# Altium PCB Fail 1.PcbDoc (part 2 of 2)
Units mil, origin at the board's own origin, x right, y up, seen from the top; angles counter-clockwise.
Board outline 15070 x 12950 mil, 6 copper layers (Top Layer, Layer 3, Layer 1, Layer 2, Layer 4, Bottom Layer), stack 32.112 mil thick; 221 components, 155 nets, 921 pads, 0 vias.
Unrouted connection lines stored in the file: 504.
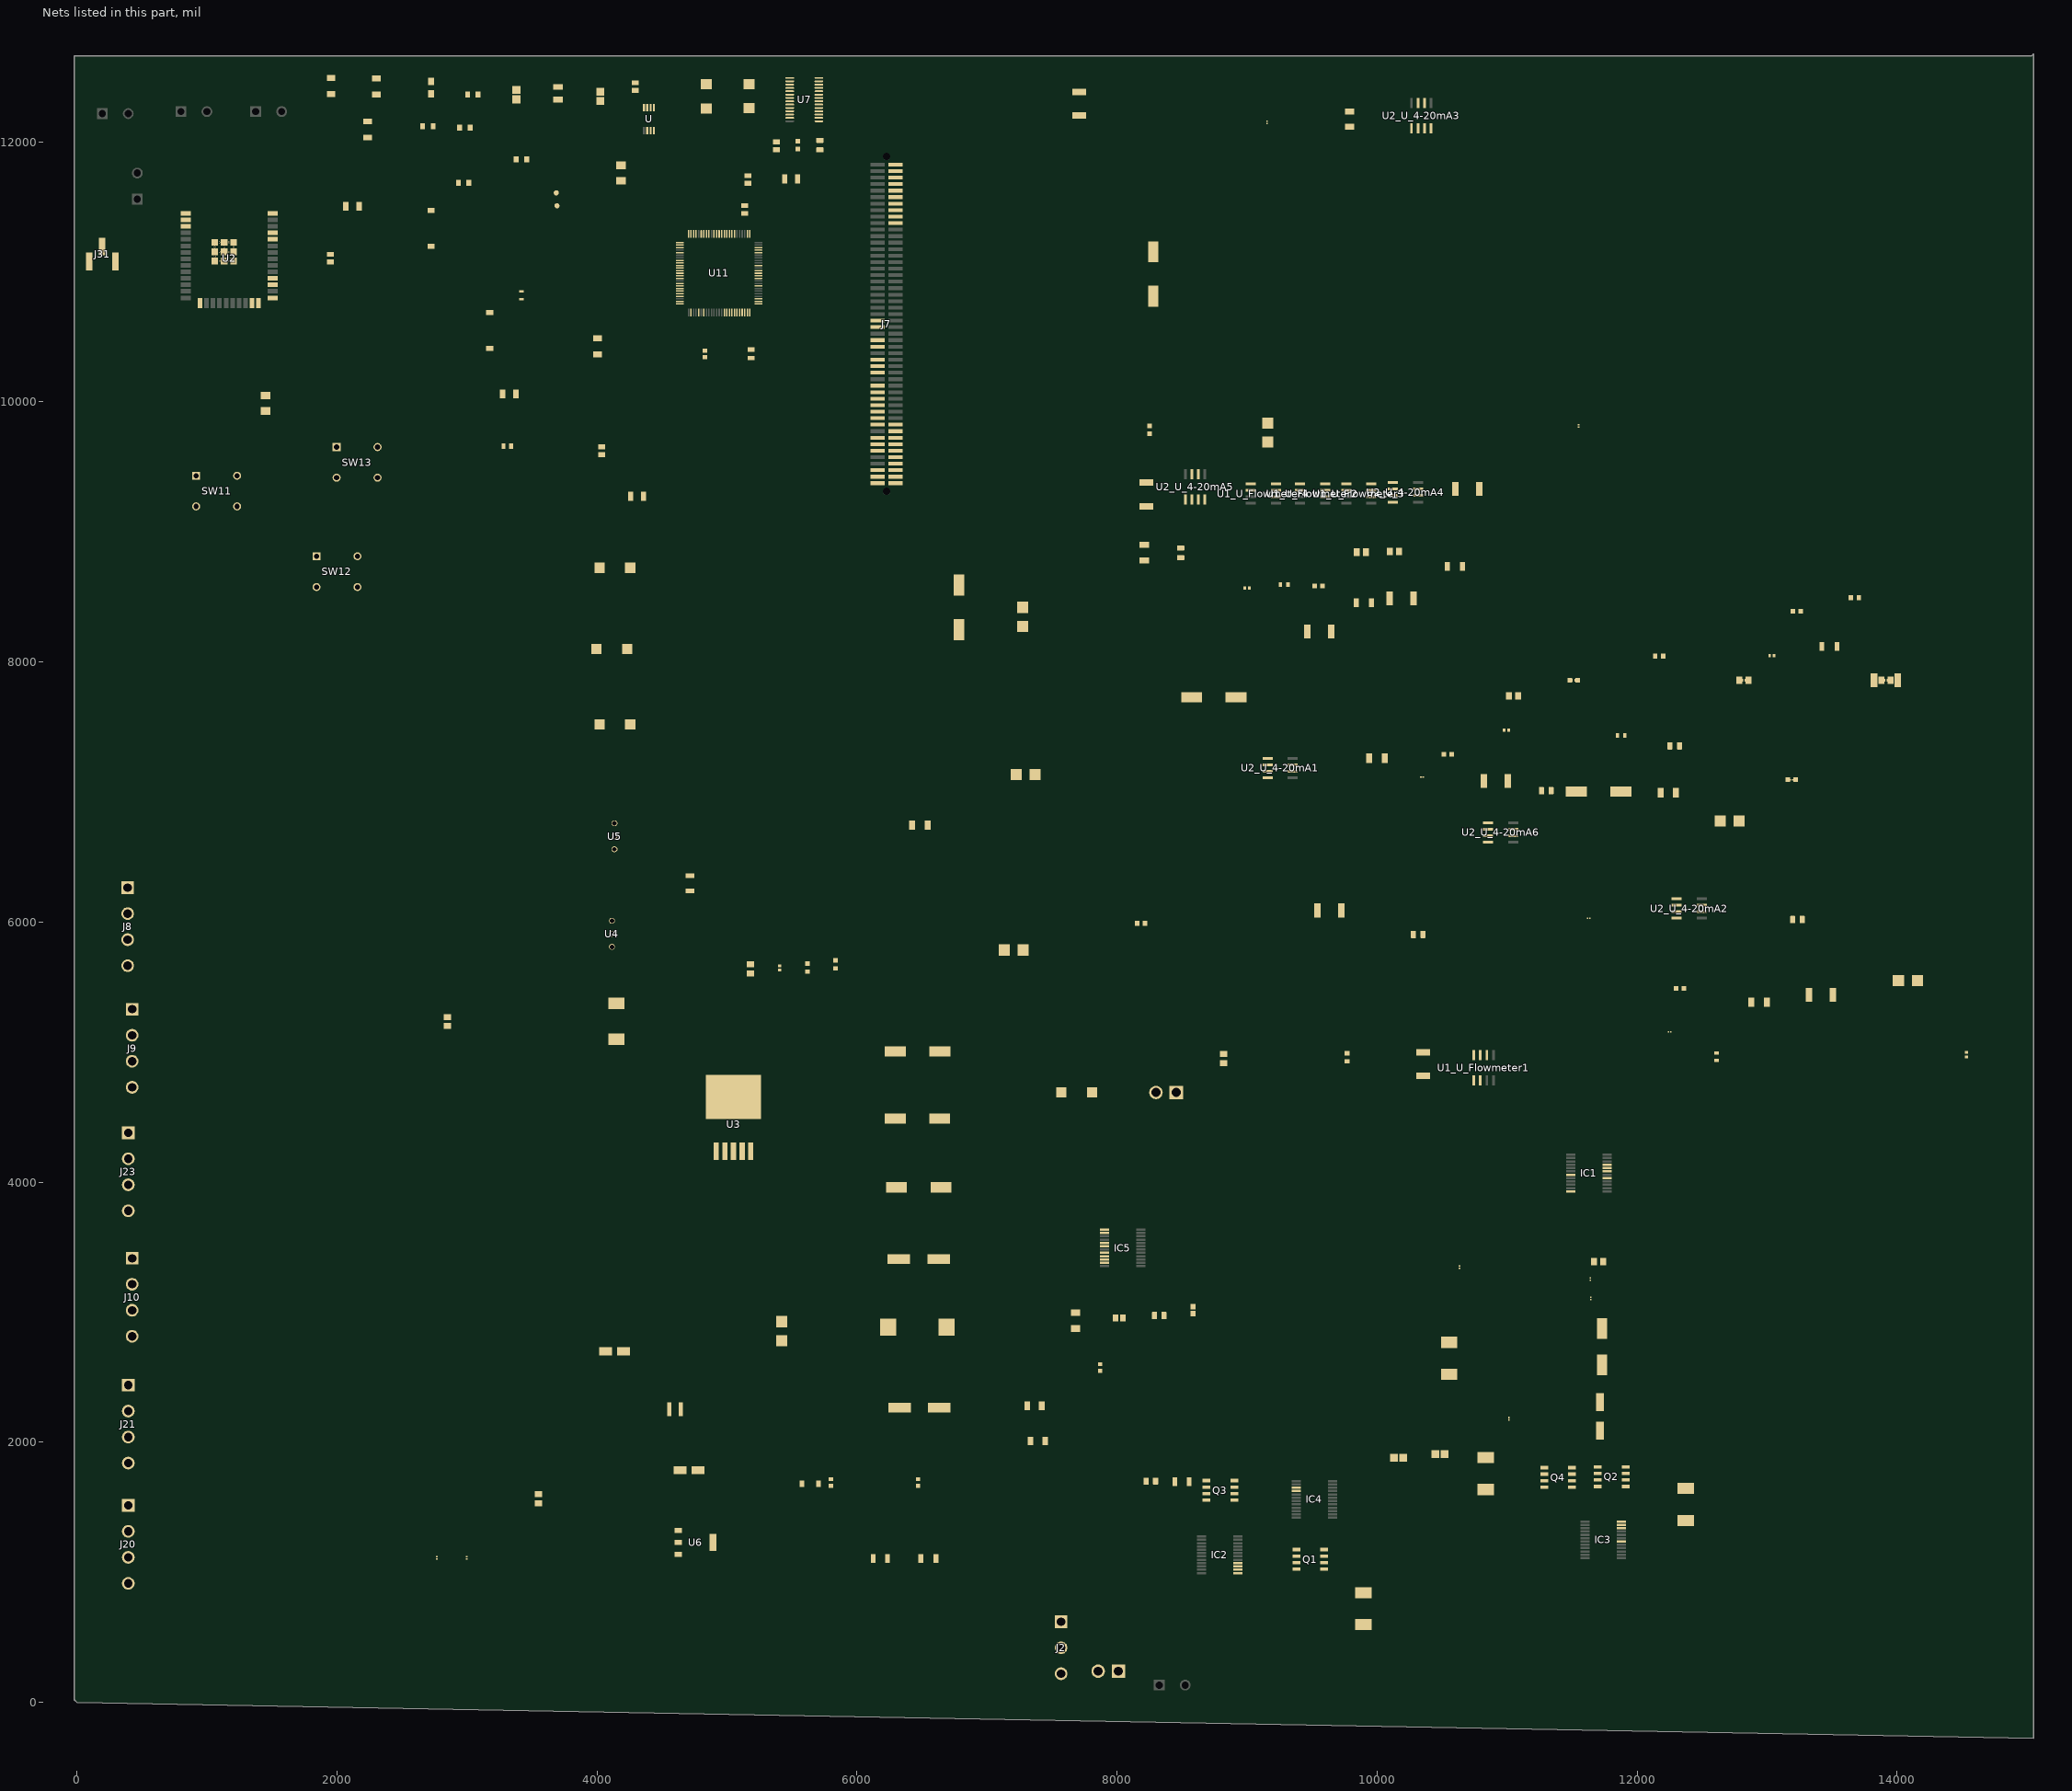
[diagram p2: the nets of this part, all layers, seen from the top]

## Part data
"175 1" "175 2" "175 3" *4 *5 *6: "Plug, Terminal Block; 12 A; 250 V; 5.08 mm; 4 position, screw, Pre-Printed", Color=Green, Current=15A, Current Rating=12A, Flammability Rating="UL94 V-0", Manufacturer="Phoenix Contact", Package Quantity=50, Supplier Part Number 1=277-1966-ND, Voltage=300V, Voltage Rating=250V, Category="Terminal Blocks", ComponentLink1Description=https://datasheet.ciiva.com/795/1758377-795513.pdf?src-supplier=Digi-Key, ComponentLink1URL=https://datasheet.ciiva.com/795/1758377-795513.pdf?src-supplier=Digi-Key, ComponentLink2Description=https://datasheet.ciiva.com/16046/1758377-16046392.pdf?src-supplier=Onlinecomponents.com, ComponentLink2URL=https://datasheet.ciiva.com/16046/1758377-16046392.pdf?src-supplier=Onlinecomponents.com, ComponentLink3Description=https://datasheet.ciiva.com/29376/567557-da-01-de-steckerteil-1758377-50-st-29376878.pdf?src-supplier=Conrad, ComponentLink3URL=https://datasheet.ciiva.com/29376/567557-da-01-de-steckerteil-1758377-50-st-29376878.pdf?src-supplier=Conrad, ComponentLink4Description=https://datasheet.ciiva.com/14607/70055302-14607548.pdf?src-supplier=Allied+Electronics, ComponentLink4URL=https://datasheet.ciiva.com/14607/70055302-14607548.pdf?src-supplier=Allied+Electronics, ComponentLink5Description=https://datasheet.ciiva.com/33106/1758377-33106027.pdf?src-supplier=Today+Components, ComponentLink5URL=https://datasheet.ciiva.com/33106/1758377-33106027.pdf?src-supplier=Today+Components, Connector Type=Screw, Contact Plating=Tin, Housing Color=Green, Housing Material=Plastic, Manufacturer Part Number=1758377, Max Current Rating=12A, Mount="Free Hanging", Number of Contacts=4, Number of Levels=1, Number of Poles=4, Number of Positions=4, Number of Positions Per Level=4, Packaging=Bulk, Pitch=5.08mm, Pricing 1="1=4.53000, 10=4.33400, 50=4.21580, 100=3.94000, 250=3.62484, 500=3.34900, 1000=3.19143, 2500=3.03380 (USD)", RoHS=Yes, Series="COMBICON MSTB", Stock 1=560, Stripping Length=7mm, Supplier 1=Digi-Key, Termination=Screw, Weight=0.249387oz, Wire Gauge (Max)=30AWG, Wire Gauge (Min)=12AWG
"175 10" "175 11" "175 12" "175 13" PLUG30: "Conn Terminal Block F 2 POS 5.08mm Screw RA Cable Mount 12A", Color=Green, Current=15A, Current Rating=12A, Manufacturer="Phoenix Contact", Package Quantity=50, Supplier Part Number 1=277-1964-ND, Voltage=300V, Voltage Rating=250V, Category="Terminal Blocks", ComponentLink1Description=https://datasheet.ciiva.com/796/1758364-796729.pdf?src-supplier=Digi-Key, ComponentLink1URL=https://datasheet.ciiva.com/796/1758364-796729.pdf?src-supplier=Digi-Key, ComponentLink2Description=https://datasheet.ciiva.com/16096/1758364-16096513.pdf?src-supplier=Onlinecomponents.com, ComponentLink2URL=https://datasheet.ciiva.com/16096/1758364-16096513.pdf?src-supplier=Onlinecomponents.com, ComponentLink3Description=https://datasheet.ciiva.com/14607/70055300-14607547.pdf?src-supplier=Allied+Electronics, ComponentLink3URL=https://datasheet.ciiva.com/14607/70055300-14607547.pdf?src-supplier=Allied+Electronics, ComponentLink4Description=https://datasheet.ciiva.com/29222/569586-da-01-en-steckerteil-1758364-50-st-29222742.pdf?src-supplier=Conrad, ComponentLink4URL=https://datasheet.ciiva.com/29222/569586-da-01-en-steckerteil-1758364-50-st-29222742.pdf?src-supplier=Conrad, Connector Type=Screw, Contact Material=Tin, Contact Plating=Tin, Gender=Female, Height=15mm, Housing Color=Green, Length=10.16mm, Manufacturer Part Number=1758364, Max Current Rating=12A, Mount="Free Hanging,Plug-In", Number of Contacts=2, Number of Levels=1, Number of Poles=2, Number of Positions=2, Number of Positions Per Level=2, Number of Rows=1, Packaging=Bulk, Pitch=5.08mm, Pricing 1="1=2.18000, 10=2.11900, 50=1.98000, 100=1.82160, 250=1.68300, 500=1.60380, 1000=1.52460 (USD)", RoHS=Yes, RoHS Compliant=Yes, Series="COMBICON MSTB", Stock 1=1385, Stripping Length=7mm, Supplier 1=Digi-Key, Termination=Screw, Weight=0.133336oz, Width=18.3mm, Wire Gauge (Max)=12AWG, Wire Gauge (Min)=24AWG
* CON1 CON2: "Connector Housing Receptacle 2 Position 3.96mm Straight Bag", Color=Natural, Flammability Rating="UL94 V-0", Manufacturer=Molex, Max Current Rating=7A, Max Operating Temperature=75°C, Max Voltage Rating (AC)=250V, Min Operating Temperature=0°C, Package Quantity=2500, Supplier Part Number 1=538-09-50-8023, Approvals=UL,CSA, Body Material=PBT,Polyester, Category=Connectors, ComponentLink1Description=https://datasheet.ciiva.com/10401/0009508023-crimp-housings-10401153.pdf?src-supplier=Avnet, ComponentLink1URL=https://datasheet.ciiva.com/10401/0009508023-crimp-housings-10401153.pdf?src-supplier=Avnet, ComponentLink2Description=https://datasheet.ciiva.com/1111/99335-1111034.pdf?src-supplier=Element14, ComponentLink2URL=https://datasheet.ciiva.com/1111/99335-1111034.pdf?src-supplier=Element14, ComponentLink3Description=https://datasheet.ciiva.com/19473/1960927-19473582.pdf?src-supplier=Jameco, ComponentLink3URL=https://datasheet.ciiva.com/19473/1960927-19473582.pdf?src-supplier=Jameco, ComponentLink4Description=https://datasheet.ciiva.com/18453/70190765-18453861.pdf?src-supplier=Allied+Electronics, ComponentLink4URL=https://datasheet.ciiva.com/18453/70190765-18453861.pdf?src-supplier=Allied+Electronics, ComponentLink5Description=https://datasheet.ciiva.com/19473/736747-19473771.pdf?src-supplier=Jameco, ComponentLink5URL=https://datasheet.ciiva.com/19473/736747-19473771.pdf?src-supplier=Jameco, ComponentLink6Description=https://datasheet.ciiva.com/15217/getdatasheetpartid-309062-15217245.pdf?src-supplier=Verical, ComponentLink6URL=https://datasheet.ciiva.com/15217/getdatasheetpartid-309062-15217245.pdf?src-supplier=Verical, ComponentLink7Description=https://datasheet.ciiva.com/16661/0009508023-crimp-housings-16661293.pdf?src-supplier=Avnet+Europe, ComponentLink7URL=https://datasheet.ciiva.com/16661/0009508023-crimp-housings-16661293.pdf?src-supplier=Avnet+Europe, Connector Type=Receptacle, Contact Gender=Female, Contact Type=Non-Gendered, Depth=15.88mm, Fastening Type=Ramp, Gender=Female, Height=8.07mm, Housing Color=Natural, Housing Material=Polyester, Lead Free="Lead Free", Length=8.79mm, Manufacturer Part Number=09-50-8023, Material=Polyester, Mount="Free Hanging,Cable", Number of Contacts=2, Number of Positions=2, Number of Rows=1, Orientation=Straight, Packaging=Bulk, Pitch=3.96mm, Pricing 1="1=0.22000, 10=0.17700, 50=0.17700, 100=0.12700, 1000=0.10000, 10000=0.07700 (USD)", Radiation Hardening=No, REACH SVHC=Unknown, RoHS=Yes, RoHS Compliant=Yes, Series="KK® 41695", Stock 1=12416, Supplier 1=Mouser, Termination=Crimp, Width=15.88mm
C: "0.1ÂµF Â±20% 50V Ceramic Capacitor Z5U 0805 _2012 Metric_", Package="2012 KEMET", Supplier Part Number 1=80-C0805C104Z5V, Availability=Unavailable, MF=KEMET, MP=C0805C104M5UACTU, Price=None, SnapEDA_Link=https://www.snapeda.com/parts/C0805C104M5UACTU/KEMET/view-part/455200/?ref=snap, Supplier 1=Mouser
C1 C2 C4 C7 CU9: library part CMP-2000-07546-2, "Cap Ceramic 100nF 50V X7R 10% Pad SMD 0603 +125°C Automotive T/R", Capacitance=100nF, Case Code (Imperial)=0603, Case Code (Metric)=1608, Dielectric=X7R, Max Operating Temperature=125°C, Min Operating Temperature=-55°C, Package Quantity=1, Ratings=AEC-Q200, Tolerance=10%, Voltage=50V, Case/Package=0603, Composition=Ceramic, Depth=0.8mm, Height=0.8mm, Lead Free="Lead Free", Length=1.6mm, Mount="Surface Mount", Packaging="Tape and Reel", Radiation Hardening=No, REACH SVHC="No SVHC", Termination=SMD/SMT, Thickness=0.035inch, Voltage Rating=50V, Voltage Rating (DC)=50V, Weight=7.1E-05oz, Width=0.8mm
C3: library part CMP-03017-000030-1, "CAP TANT POLY 10UF 10V 1206", Capacitance=10uF, Case Code (Imperial)=1206, Case Code (Metric)=3216, Dielectric Material=Tantalum, ESR (Equivalent Series Resistance)=80mR, Leakage Current=10uA, Max Operating Temperature=105°C, Min Operating Temperature=-55°C, Package Quantity=1, Tolerance=20%, Voltage=10V, Case/Package=1206, Construction=Flat, Depth=1.6mm, Dissipation Factor=8%, Features="General Purpose", Height=1.6mm, Height - Seated (Max)=0.071inch, Lead Free="Lead Free", Length=3.2mm, Life (Hours)=2000Hour, Mount="Surface Mount", Packaging="Tape and Reel", Polarity=Polar, Radiation Hardening=No, REACH SVHC="No SVHC", RoHS Compliant=Yes, Series="KO-CAP T520", Termination=SMD/SMT, Voltage Rating=10V, Voltage Rating (DC)=10V, Width=1.6mm
C5 C6: library part CMP-1037-04202-2, "CAP, Ceramic, 0.1 uF, +/- 10%, 50 V, -55 to 125 degC, 1206 (3216 Metric), RoHS, Tape and Reel", Capacitance=0.1µF, Capacitance Tolerance=±10%, Capacitor Case Style=1206[3216Metric], Dielectric Characteristic=X7R, Manufacturer=Kemet, Operating Temperature Max=125degC, Operating Temperature Min=-55degC, Package Description="2-Leads SMD, Body 3.2 x 1.6 mm", Package Reference=1206-2, Voltage Rating=50V, Datasheet URL=https://datasheet.ciiva.com/6125/1725438-6125494.pdf, Datasheet Version=Jul-13, Manufacturer URL=http://www.kemet.com/, Packaging=Tape&Reel, Product Range=KEMET-CSeries, SVHC=ToBeAdvised
C8: library part CMP-2000-05863-1, "Chip Capacitor, 10 uF, +/- 10%, 25 V, -55 to 85 degC, 1206 (3216 Metric), RoHS, Tape and Reel", Capacitance=10µF, Case Size/Dimension=1206, Dielectric=X5R, Manufacturer=AVX, Package Description="2-Pin Surface Mount Device, Body 3.2 x 1.6 mm", Rated Voltage=25V, Tolerance (%)=±10%, Datasheet URL=http://datasheets.avx.com/cx5r.pdf, Datasheet Version=05/2016, Manufacturer URL=http://www.avx.com/, Mounting Technology=SurfaceMount, Package Reference=1206
C9 C10: "CAP ALUM 47UF 20% 16V SMD", Package="RADIAL-2 Panasonic", Supplier Part Number 1=667-EEE-FN1C470UR, Availability="In Stock", Check_prices=https://www.snapeda.com/parts/EEE-FN1C470UR/Panasonic/view-part/6178044/?ref=eda, MF="Panasonic Electronic Components", MP=EEE-FN1C470UR, Price=None, Purchase-URL=https://pricing.snapeda.com/search/part/EEE-FN1C470UR/?ref=eda, SnapEDA_Link=https://www.snapeda.com/parts/EEE-FN1C470UR/Panasonic/view-part/6178044/?ref=snap, Supplier 1=Mouser
C11: library part CMP-05428-000019-1, "CAP ALUM POLY 22UF 20% 35V SMD", Capacitance=22uF, Case/Package=Radial, ESR (Equivalent Series Resistance)=35mR, Leakage Current=154uA, Max Operating Temperature=105°C, Min Operating Temperature=-55°C, Package Quantity=1000, Ripple Current=2.6A, Tolerance=20%, Voltage=35V, Diameter=6.3mm, Dissipation Factor=12%, Height=5.9mm, Height - Seated (Max)=0.236inch, Length=5.9mm, Life (Hours)=5000Hour, Mount="Surface Mount", Number of Pins=6, Packaging="Tape and Reel", Polarity=Polar, REACH SVHC="No SVHC", Ripple Current (AC)=2.6A, Termination=SMD/SMT, Voltage Rating=35V, Voltage Rating (DC)=35V
C12: library part CMP-05427-000013-1, "CAP ALUM 220UF 20% 25V SMD", Capacitance=220uF, Leakage Current=55uA, Manufacturer=Panasonic, Package=HAF, Ripple Current=160mA, Temperature="-40°C to +105°C", Temperature Range High=+105°C, Temperature Range Low=-40°C, Tolerance=20%, Voltage=25V, Automotive=No, Category=Cap, ComponentLink2Description=Datasheet, ComponentLink2URL=https://industrial.panasonic.com/cdbs/www-data/pdf/RDE0000/ABA0000C1151.pdf, Device Class L1="Passive Components", Device Class L2=Capacitors, Device Class L3="Aluminum Electrolytic Capacitors", Digikey Description="CAP ALUM 220UF 20% 25V SMD", Dissipation Factor=16%, Height=10.5mm, Lead Free=Yes, Life=1000Hours, Manufacturer Part Number=EEE-HA1E221UP, Material=Aluminum, Mouser Description="Aluminum Electrolytic Capacitors - SMD 220UF 25V ELECT HA SMD", Octopart=https://octopart.com/eee-ha1e221up-panasonic-39481261, RoHS=TRUE, Voltage Rating=25V
C13: library part CMP-1037-02486-2, "Chip Capacitor, 1 nF, +/- 10%, 500 V, -55 to 125 degC, 1206 (3216 Metric), RoHS, Tape and Reel", Capacitance=1nF, Case Size/Dimension=1206, Dielectric=X7R, Manufacturer=AVX, Package Description="2-Pin Surface Mount Device, Body 3.2 x 1.6 mm", Rated Voltage=500V, Tolerance (%)=±10%, Datasheet URL=http://datasheets.avx.com/X7RDielectric.pdf, Datasheet Version=07/2016, Manufacturer URL=http://www.avx.com/, Mounting Technology=SurfaceMount, Package Reference=1206
C14 C16 C17 C29 C30 C58 C243 CF5_U_4-20mA1 CF5_U_4-20mA2 CF5_U_4-20mA3 CF5_U_4-20mA4 CF5_U_4-20mA5 CF5_U_4-20mA6: "01005 0.1 uF 6.3 V Â±20% Tolerance X5R SMT Multilayer Ceramic Capacitor", Package="0402 Murata", Supplier Part Number 1=490-7192-1-ND, Availability="In Stock", Check_prices=https://www.snapeda.com/parts/GRM022R60J104ME15L/Murata%20Electronics%20North%20America/view-part/265228/?ref=eda, MF="Murata Electronics", MP=GRM022R60J104ME15L, Price=None, SnapEDA_Link=https://www.snapeda.com/parts/GRM022R60J104ME15L/Murata%20Electronics%20North%20America/view-part/265228/?ref=snap, Supplier 1=Digi-Key
C15 CF6_U_4-20mA1 CF6_U_4-20mA2 CF6_U_4-20mA3 CF6_U_4-20mA4 CF6_U_4-20mA5 CF6_U_4-20mA6: "CAP ALUM 4.7UF 20% 350V SMD", Package="RADIAL-2 Panasonic", Availability="In Stock", Check_prices=https://www.snapeda.com/parts/EEV-EB2V4R7Q/Panasonic%20Electronic%20Components/view-part/3655945/?ref=eda, ComponentLink1Description="New link", MF="Panasonic Electronic Components", MP=EEV-EB2V4R7Q, Price=None, SnapEDA_Link=https://www.snapeda.com/parts/EEV-EB2V4R7Q/Panasonic%20Electronic%20Components/view-part/3655945/?ref=snap
C18 C19: library part CMP-1036-04552-2, "CAP CER 0.22UF 50V X7R 0805", Capacitance="0.22 μF", Manufacturer=KEMET, Package=C0805C-DN, Temperature="-55°C to +125°C", Temperature Characteristic=X7R, Temperature Coefficient=30ppm/°C, Temperature Range High=+125°C, Temperature Range Low=-55°C, Tolerance=0.1, Voltage Rating="50 V", Automotive=No, Category=Cap, ComponentLink2Description=Datasheet, ComponentLink2URL=https://content.kemet.com/datasheets/KEM_C1003_C0G_SMD.pdf, Device Class L1="Passive Components", Device Class L2=Capacitors, Device Class L3="Ceramic Capacitors", Digikey Description="CAP CER 0.22UF 50V X7R 0805", Height=0.88mm, Ipc Land Pattern Name=CAPC200125X78, Lead Free=Yes, Manufacturer Part Number=C0805C224K5RACTU, Material=Ceramic, Mouser Description="CAP CER 0.22UF 50V X7R 0805", Octopart=https://octopart.com/c0805c224k5ractu-kemet-144670, RoHS=TRUE
C20: library part CMP-03020-008221-1, "1206 C 68pF Ceramic Multilayer Capacitor; 50 VDC; +125degC; C0G Dielec; +/-5%", Capacitance="68 pF", Manufacturer=KEMET, Package=C1206C-EB, Temperature="-55°C to +150°C", Temperature Characteristic=C0G, Temperature Coefficient=15%, Temperature Range High=+150°C, Temperature Range Low=-55°C, Tolerance=0.05, Voltage Rating="50 V", Automotive=Yes, Automotive Grade="Grade 0", Category=Cap, ComponentLink2Description=Datasheet, ComponentLink2URL=https://content.kemet.com/datasheets/KEM_C1007_X8R_ULTRA_150C_SMD.pdf, Device Class L1="Passive Components", Device Class L2=Capacitors, Device Class L3="Ceramic Capacitors", Digikey Description="1206 C 68pF Ceramic Multilayer Capacitor; 50 VDC; +125degC; C0G Dielec; +/-5%", Height=0.88mm, Ipc Land Pattern Name=CAPC320160X78, Lead Free=Yes, Manufacturer Part Number=C1206C680J5GACTU, Material=Ceramic, Mouser Description="1206 C 68pF Ceramic Multilayer Capacitor; 50 VDC; +125degC; C0G Dielec; +/-5%", Octopart=https://octopart.com/c1206c680j5gactu-kemet-138975, RoHS=TRUE
C21: library part CMP-1036-04064-2, "CAP CER 0.022UF 50V X7R 0805", Capacitance="22 nF", Manufacturer=Yageo, Package=CC0805-0.85, Temperature="-30°C to +85°C", Temperature Characteristic=X7R, Temperature Range High=+85°C, Temperature Range Low=-30°C, Tolerance=0.1, Voltage Rating="50 V", Automotive=No, Category=Cap, ComponentLink2Description=Datasheet, ComponentLink2URL=http://www.yageo.com/documents/recent/UPY-GPHC_Y5V_6.3V-to-50V_8.pdf, Device Class L1="Passive Components", Device Class L2=Capacitors, Device Class L3="Ceramic Capacitors", Digikey Description="CAP CER 0.022UF 50V X7R 0805", Footprint Url=http://www.yageo.com/exep/pages/download/literatures/UPY-C_GEN_24.pdf, Height=0.95mm, Ipc Land Pattern Name=CAPC200125X85, Lead Free=Yes, Manufacturer Part Number=CC0805KRX7R9BB223, Material=Ceramic, Mouser Description="Multilayer Ceramic Capacitors MLCC - SMD/SMT 22nF 50V X7R 10%", Octopart=https://octopart.com/cc0805krx7r9bb223-yageo-39467761, RoHS=TRUE
C22: library part CMP-03020-017724-1, "CAP CER 47PF 50V C0G/NP0 1206", Capacitance="47 pF", Manufacturer=KEMET, Package=C1206C-EB, Temperature="-55°C to +150°C", Temperature Characteristic=C0G, Temperature Coefficient=15%, Temperature Range High=+150°C, Temperature Range Low=-55°C, Tolerance=0.05, Voltage Rating="50 V", Automotive=Yes, Automotive Grade="Grade 0", Category=Cap, ComponentLink2Description=Datasheet, ComponentLink2URL=https://content.kemet.com/datasheets/KEM_C1007_X8R_ULTRA_150C_SMD.pdf, Device Class L1="Passive Components", Device Class L2=Capacitors, Device Class L3="Ceramic Capacitors", Digikey Description="CAP CER 47PF 50V C0G/NP0 1206", Height=0.88mm, Ipc Land Pattern Name=CAPC320160X78, Lead Free=Yes, Manufacturer Part Number=C1206C470J5GACTU, Material=Ceramic, Mouser Description="Multilayer Ceramic Capacitors MLCC - SMD/SMT 50volts 47pF C0G 5%", Octopart=https://octopart.com/c1206c470j5gactu-kemet-96509, RoHS=TRUE
C23: library part CMP-2100-03600-2, "CAP CER 10000PF 50V X7R 0603", Capacitance="10 nF", Manufacturer=YAGEO, Package=CC0603-DA, Temperature="-55°C to +125°C", Temperature Characteristic=X7R, Temperature Coefficient=15%, Temperature Range High=+125°C, Temperature Range Low=-55°C, Tolerance=0.1, Voltage="50 V", Automotive=No, Category=Cap, ComponentLink2Description=Datasheet, ComponentLink2URL=http://www.yageo.com/documents/recent/UPY-GPHC_X7R_6.3V-to-50V_18.pdf, Device Class L1="Passive Components", Device Class L2=Capacitors, Device Class L3="Ceramic Capacitors", Digikey Description="CAP CER 10000PF 50V X7R 0603", Footprint Url=http://www.yageo.com/exep/pages/download/literatures/UPY-C_GEN_24.pdf, Height=0.9mm, Lead Free=Yes, Manufacturer Part Number=CC0603KRX7R9BB103, Material=Ceramic, Mouser Description="Multilayer Ceramic Capacitor, CC Series, 0.01 - F, - 10%, X7R, 50 V, 0603 [1608 Metric]", Octopart=https://octopart.com/cc0603krx7r9bb103-yageo-192938, RoHS=TRUE, Voltage Rating="50 V"
C24 C25 C26 C27: "CAP ALUM 1000UF 20% 6.3V SMD", Package="RADIAL-2 Panasonic", Supplier Part Number 1=667-EEE-FK0J102AV, Availability="In Stock", Check_prices=https://www.snapeda.com/parts/EEEFK0J102AV/Panasonic/view-part/5793315/?ref=eda, MF=Panasonic, MP=EEEFK0J102AV, Price=None, Purchase-URL=https://pricing.snapeda.com/search/part/EEEFK0J102AV/?ref=eda, SnapEDA_Link=https://www.snapeda.com/parts/EEEFK0J102AV/Panasonic/view-part/5793315/?ref=snap, Supplier 1=Mouser
C28 C45: library part CMP-2000-06200-1, "Aluminum Electrolytic Capacitor, 220 uF, +/- 20%, 50 V, -40 to 85 degC, 2-Pin SMD, RoHS, Tape and Reel", AE Capacitor Case=RadialCan-SMD, Capacitance=220µF, Capacitance Tolerance=±20%, Life Time @ Temperature=2000hours@85°C, Manufacturer=Panasonic, Operating Temperature Max=85°C, Operating Temperature Min=-40°C, Package Description="2-Pin Surface Mount Device, Body 10.3 x 10.3 mm", Package Reference=SMD, Ripple Current AC=300mA, Voltage Rating=50V, Capacitance Tolerance ±=±20%, Capacitor Case Style=RadialCan-SMD, Datasheet URL=http://datasheet.octopart.com/EEE-1HA221P-Panasonic-datasheet-13265900.pdf, Datasheet Version=11/2012, Diameter=10mm, Height=10.2mm, Lifetime @ Temperature=2000hours@85°C, Manufacturer URL=http://www.panasonic.com/, Mounting Technology=SurfaceMount, Packaging=CutTape, Product Range=PANASONIC-SSeries, SVHC=ToBeAdvised
"CA1 12pF" "CA2 12pF": library part CMP-2007-04500-1, Manufacturer="AVX Interconnect / Elco", Part Number=08055A120JAT2A
"CA3 47uF" "CA6 47uF": library part CMP-03017-000042-1, "CAP TANT 47UF 10% 16V 2312", Capacitance=47uF, Case Code (Imperial)=2312, Case Code (Metric)=6032, Case/Package=Molded, Dielectric Material=Tantalum, ESR (Equivalent Series Resistance)=1.2R, Leakage Current=7.5uA, Max Operating Temperature=125°C, Min Operating Temperature=-55°C, Package Quantity=1, Ripple Current=303mA, Tolerance=20%, Voltage=6V, Voltage Rating=16V, Depth=3.2mm, Dissipation Factor=6%, Failure Rate=0.001%, Features="General Purpose", Height=2.5mm, Height - Seated (Max)=0.11inch, Lead Free="Lead Free", Length=6mm, Life (Hours)=2000Hour, Mount="Surface Mount", Number of Pins=2, Packaging="Tape and Reel", Polarity=Polar, Radiation Hardening=No, REACH SVHC="No SVHC", RoHS Compliant=Yes, Termination=SMD/SMT, Voltage Rating (DC)=16V, Width=3.2mm
"CA4 .1uF" "CA5 .1uF": library part CMP-2007-00279-2, "CAP CER 0.1UF 50V X7R 0805", Capacitance="0.10 μF", Manufacturer=KEMET, Package=C0805C-DN, Temperature="-55°C to +125°C", Temperature Characteristic=X7R, Temperature Coefficient=30ppm/°C, Temperature Range High=+125°C, Temperature Range Low=-55°C, Tolerance=0.1, Voltage Rating="50 V", Automotive=No, Category=Cap, ComponentLink2Description=Datasheet, ComponentLink2URL=https://content.kemet.com/datasheets/KEM_C1003_C0G_SMD.pdf, Device Class L1="Passive Components", Device Class L2=Capacitors, Device Class L3="Ceramic Capacitors", Digikey Description="CAP CER 0.1UF 50V X7R 0805", Height=0.88mm, Ipc Land Pattern Name=CAPC200125X78, Lead Free=Yes, Manufacturer Part Number=C0805C104K5RACTU, Material=Ceramic, Mouser Description="Cap Ceramic 0.1uF 50V X7R 10% SMD 2.0 x 1.2 mm 125 C Paper T/R", Octopart=https://octopart.com/c0805c104k5ractu-kemet-143926, RoHS=TRUE
CF1_U_Flowmeter1 CF1_U_Flowmeter2 CF1_U_Flowmeter3 CF1_U_Flowmeter4 CF3_U_Flowmeter1 CF3_U_Flowmeter2 CF3_U_Flowmeter3 CF3_U_Flowmeter4: "0805 10 uF 6.3 V Â±20 % Tolerance X7R SMT Multilayer Ceramic Capacitor", Package=None, Supplier Part Number 1=581-08056C106MAT2A, Availability=Unavailable, MP=08056C106MAT2A, Price=None, Supplier 1=Mouser
CF2_U_Flowmeter1 CF2_U_Flowmeter2 CF2_U_Flowmeter3 CF2_U_Flowmeter4: "High Reliability - Autograde Plus+, Reel Size: 7\" (180mm)", Package=None, Supplier Part Number 1=810-CGJ2B2X7R1C222K, Availability=Unavailable, MP=CGJ2B2X7R1C222K050BA, Price=None, Supplier 1=Mouser
CF7_U_4-20mA1 CF7_U_4-20mA2 CF7_U_4-20mA3 CF7_U_4-20mA4 CF7_U_4-20mA5 CF7_U_4-20mA6: "0603 1 uF 16 V Â±10% Tolerance X7R Automotive Multilayer Ceramic Capacitor", Package="1608 Murata", Supplier Part Number 1=81-GCM188R71C105KA4J, Availability="In Stock", Check_prices=https://www.snapeda.com/parts/GCM188R71C105KA64J/Murata%20Electronics%20North%20America/view-part/1755583/?ref=eda, MF=Murata, MP=GCM188R71C105KA64J, Price=None, SnapEDA_Link=https://www.snapeda.com/parts/GCM188R71C105KA64J/Murata%20Electronics%20North%20America/view-part/1755583/?ref=snap, Supplier 1=Mouser
CH11 CH12 CL21 CL22: library part CMP-2007-00448-2, "CAP CER 22PF 100V 5% NP0 0805", Capacitance="22 pF", Manufacturer=KEMET, Package=C0805C-DN, Temperature="-55°C to +125°C", Temperature Characteristic=C0G, Temperature Coefficient=30ppm/°C, Temperature Range High=+125°C, Temperature Range Low=-55°C, Tolerance=0.05, Voltage Rating="100 V", Automotive=No, Category=Cap, ComponentLink2Description=Datasheet, ComponentLink2URL=https://content.kemet.com/datasheets/KEM_C1003_C0G_SMD.pdf, Device Class L1="Passive Components", Device Class L2=Capacitors, Device Class L3="Ceramic Capacitors", Digikey Description="CAP CER 22PF 100V 5% NP0 0805", Height=0.88mm, Ipc Land Pattern Name=CAPC200125X78, Lead Free=Yes, Manufacturer Part Number=C0805C220J1GACTU, Material=Ceramic, Mouser Description="Multilayer Ceramic Capacitor, C Series, 22 Pf, - 5%, C0g / Np0, 100 V, 0805 [2012 Metric] Rohs Compliant: Yes", Octopart=https://octopart.com/c0805c220j1gactu-kemet-3791395, RoHS=TRUE
CR2 CR3 CR4 CR5 U4 U5: "No Description Available", Mfr_Name=Vishay, Copyright="Copyright (C) 2021 Ultra Librarian. All rights reserved.", RefDes=RefDes, Type=DEV
  CR2 CR3 CR4 CR5: Manufacturer_Part_Number=SS34-E3/9AT
  U4 U5: Manufacturer_Part_Number=VF30100S-M3/4W
CR6: "No Description Available", Mfr_Name="Littelfuse Inc", Copyright="Copyright (C) 2021 Ultra Librarian. All rights reserved.", Manufacturer_Part_Number=1KSMB39CA, RefDes=RefDes, Type=DEV
CRF1_U_4-20mA1 CRF1_U_4-20mA2 CRF1_U_4-20mA3 CRF1_U_4-20mA4 CRF1_U_4-20mA5 CRF1_U_4-20mA6: "No Description Available", Mfr_Name="Littelfuse Inc", Supplier Part Number 1=F11451CT-ND, Copyright="Copyright (C) 2021 Ultra Librarian. All rights reserved.", Digi-Key_Part_Number_1=1KSMB39CA-ND, Digi-Key_Part_Number_2=F11451CT-ND, Digi-Key_Part_Number_3=F11451DKR-ND, Digi-Key_Part_Number_4=F11451TR-ND, Manufacturer_Part_Number=1KSMB39CA, RefDes=RefDes, Supplier 1=Digi-Key, Type=DEV
CU10: library part CMP-2006-00210-1, Manufacturer="AVX Interconnect / Elco", Part Number=TPCL475K010R5000
D1: "Schottky Diode", Arrow Part Number=SS34-E3/57T, Manufacturer_Name=Vishay, Mouser Part Number=625-SS34-E3, Supplier Part Number 1=SS34-E3/57TGICT-ND, Arrow Price/Stock=https://www.arrow.com/en/products/ss34-e357t/vishay, Datasheet Link=https://www.vishay.com/docs/88751/ss32.pdf, Height=2.62mm, Manufacturer_Part_Number=SS34-E3/57T, Mouser Price/Stock=https://www.mouser.co.uk/ProductDetail/Vishay-General-Semiconductor/SS34-E3-57T?qs=x2jpVgRnAtMC3f38kYWnRw%3D%3D, Supplier 1=Digi-Key
D2: library part CMP-1060-00416-1, "Zener Voltage Regulator, 500 mW, 2-Pin SOD-123, Pb-Free, Tape and Reel", Manufacturer="On Semiconductor", ComponentLink1Description="Manufacturer URL", ComponentLink1URL=http://www.onsemi.com/, ComponentLink2Description=Datasheet, ComponentLink2URL=http://www.onsemi.com/pub_link/Collateral/MMSZ4678T1-D.PDF, ComponentLink3Description="Package Specification", ComponentLink3URL=http://www.onsemi.com/pub_link/Collateral/425-04.PDF, DatasheetVersion="Rev. 9", Mounting Technology="Surface Mount", P Max (W)=0.5, PackageDescription="2-Pin SOD, Body 1.6 x 2.69 mm", PackageReference=SOD-123-2-425-04, PackageVersion="Rev. G, 10/2009", Packing="Tape and Reel", PartNumber=MMSZ4689T1G, RoHS=Pb-Free, VZ Typ (V)=5.1